# Altium PCB LimeSDR-PCIe_1v2.PcbDoc (part 7 of 9) (continued)
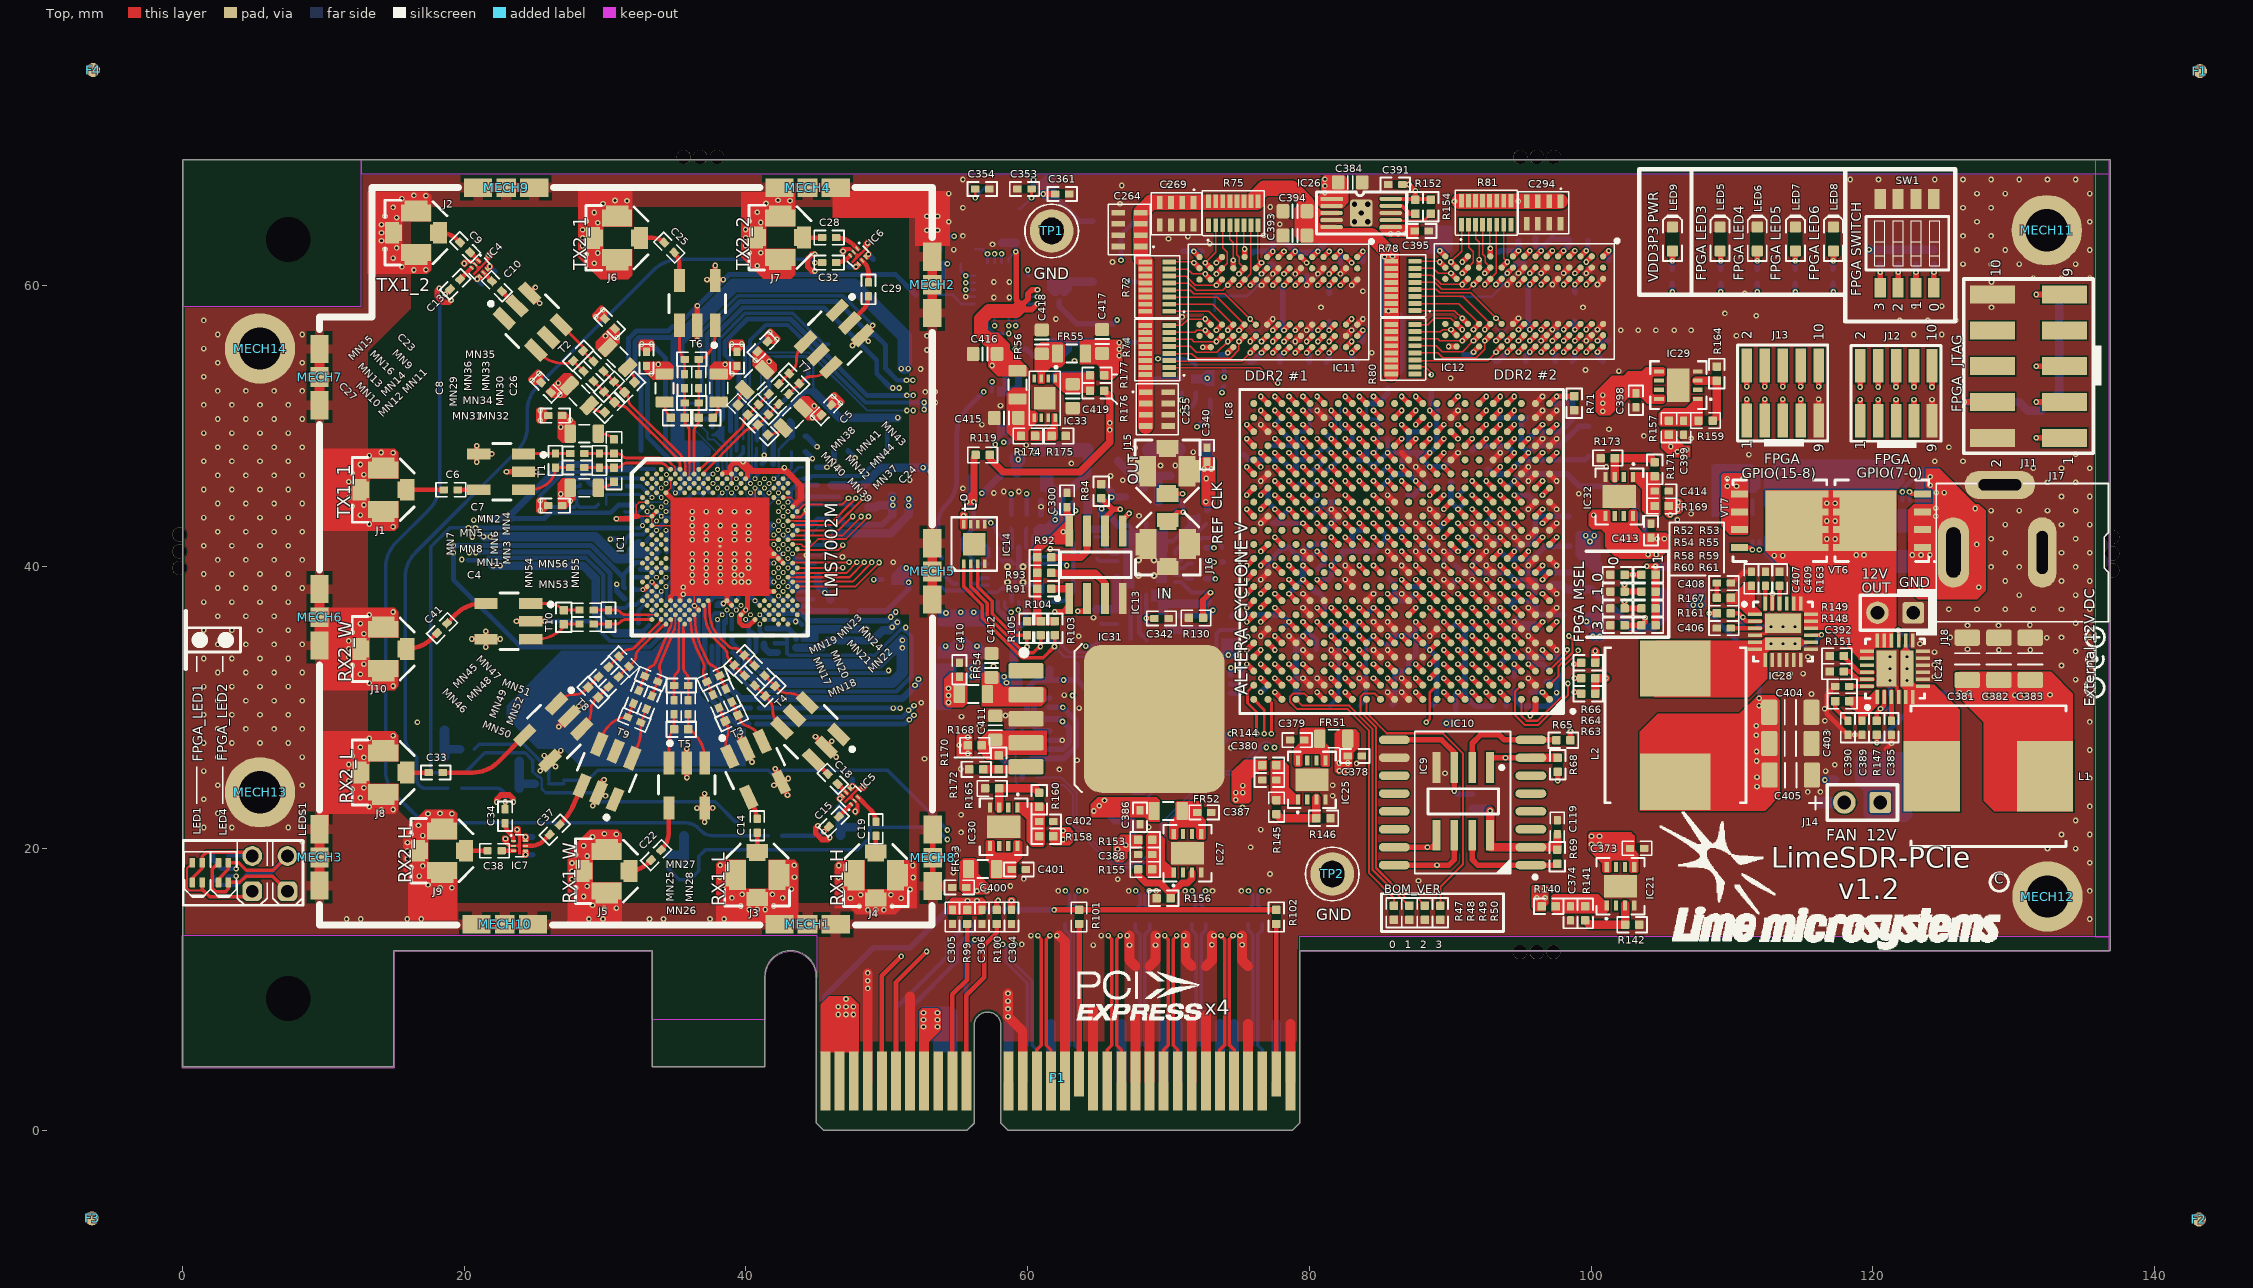
[diagram p0: Top view]
## Nets (pads, with @x,y where several pads share a name; then routed paths per layer and width w, separated by ;. In a path a pad name is that pad's centre, name@x,y a point inside that pad or via, vN(x,y) a via of type N, cw(c..) or ccw(c..) an arc to the next point about the centre after c; other vN are vias at no path point) (continued)
  Top w0.4: v1(71.8,62.4) IC11.R1@72.2,62 ; v1(74.2,55.2) IC11.M9@74.6,55.6 ; v1(76.6,55.2) IC11.J9@77,55.6 ; IC11.J1@77,62 v1(77.4,62.4) ; v1(78.2,55.2) IC11.G9@78.6,55.6 ; v1(78.2,56.8) IC11.G7@78.6,57.2 ; v1(78.2,60) IC11.G3@78.6,60.4 ; IC11.G1@78.6,62 v1(79,62.4) ; v1(79.8,55.2) IC11.E9@80.2,55.6 ; IC11.E1@80.2,62 v1(80.6,62.4) ; v1(81.4,55.2) IC11.C9@81.8,55.6 ; v1(81.4,56.8) IC11.C7@81.8,57.2 ; v1(81.4,60) IC11.C3@81.8,60.4 ; IC11.C1@81.8,62 v1(82.2,62.4) ; v1(83,55.2) IC11.A9@83.4,55.6 ; IC11.A1@83.4,62 v1(83.8,62.4) ; v1(89.25,62.45) IC12.R1@89.65,62.05 ; v1(91.65,55.25) IC12.M9@92.05,55.65 ; v1(94.05,55.25) IC12.J9@94.45,55.65 ; IC12.J1@94.45,62.05 v1(94.85,62.45) ; v1(95.65,55.25) IC12.G9@96.05,55.65 ; v1(95.65,56.85) IC12.G7@96.05,57.25 ; v1(95.65,60.05) IC12.G3@96.05,60.45 ; IC12.G1@96.05,62.05 v1(96.45,62.45) ; v1(97.25,55.25) IC12.E9@97.65,55.65 ; IC12.E1@97.65,62.05 v1(98.05,62.45) ; v1(98.85,55.25) IC12.C9@99.25,55.65 ; v1(98.85,56.85) IC12.C7@99.25,57.25 ; v1(98.85,60.05) IC12.C3@99.25,60.45 ; IC12.C1@99.25,62.05 v1(99.65,62.45) ; v1(100.45,55.25) IC12.A9@100.85,55.65 ; IC12.A1@100.85,62.05 v1(101.25,62.45)
  Bottom w0.4: C266.1@71,62.4 C273.1@72.4,62.4 ; C257.1@73.675,55.075 74.075,55.075 v1(74.2,55.2) ; C251.1@75.8,54.55 75.95,54.55 v1(76.6,55.2) ; C268.1@76,62.3 76.1,62.4 v1(77.4,62.4) C267.1@77.4,63.1 ; C252.1@77.9,54.55 77.9,54.9 v1(78.2,55.2) ; v1(78.2,56.8) 78.1,56.9 C272.2@78.1,58.4 78.1,59.9 v1(78.2,60) ; C263.1@78.4,63.1 78.4,63 v1(79,62.4) 79.075,62.325 80.525,62.325 v1(80.6,62.4) 81,62.8 C265.1@81,63.2 ; v1(79.8,55.2) 80,55 C253.1@80,54.55 ; C261.1@81.2,54.55 81.4,54.75 v1(81.4,55.2) ; v1(81.4,56.8) C260.1@81.4,57.4 ; v1(81.4,60) 81.4,59.45 C256.1@81.425,59.425 ; C258.1@82.2,61.6 v1(82.2,62.4) ; v1(83,55.2) 83,54.95 C262.1@83.4,54.55 ; C259.1@83.8,61.7 v1(83.8,62.4) ; C290.1@88.45,62.45 C283.1@89.85,62.45 ; C291.1@90.95,55.05 91.45,55.05 v1(91.65,55.25) ; C296.2@93.25,54.6 93.4,54.6 v1(94.05,55.25) ; C282.1@93.45,62.35 93.55,62.45 v1(94.85,62.45) C284.1@94.85,63.15 ; C297.2@95.35,54.6 95.35,54.95 v1(95.65,55.25) ; v1(95.65,56.85) 95.55,56.95 95.55,59.95 v1(95.65,60.05) ; C277.1@96.05,63.35 96.05,62.85 v1(96.45,62.45) 96.45,62.6 C295.2@97.25,63.4 97.4,63.25 C298.1@98.45,63.25 98.45,62.85 v1(98.05,62.45) ; v1(97.25,55.25) 97.45,55.05 C292.1@97.45,54.6 ; C293.1@98.65,54.6 98.85,54.8 v1(98.85,55.25) ; v1(98.85,56.85) C288.1@98.85,57.45 ; v1(98.85,60.05) 98.85,59.5 C289.1@98.875,59.475 ; v1(99.65,62.45) 99.75,62.55 C287.1@99.75,63.15 ; v1(100.45,55.25) 100.45,55 C279.1@100.85,54.6 ; C286.1@101.25,61.75 v1(101.25,62.45)
  other v1: 106.125,48.175 106.775,48.325 105.65,48.55 81.1,66.575 81.1,67.05 81.1,67.525
VCC1P8_LMS: C4.2 C5.2 C7.2 C8.2 C23.2 C24.2 C26.2 C27.2 FR3.2 FR6.2 FR7.2 FR12.2 FR19.2 FR21.1 FR23.1 FR32.2 MN1.2 MN2.2 MN9.2 MN10.2 MN29.2 MN30.2 MN37.2 MN38.2 R14.2 R17.2 R29.2 R31.2 R39.1 R144.1 | length 131.2
  Bottom w0.2: 24.85,25.477 25.228,25.098 25.35,25.098 25.503,24.946 25.503,24.251 25.775,23.978
  Bottom w0.254: v1@20.306,42.769 18.969,42.769 17.625,41.425 R17.2@17.625,25.375 20.025,25.375 21.45,26.8 24.324,26.8 24.85,26.274 24.85,25.477 ; 25.775,23.978 29.047,23.978 29.71,23.315 37.463,23.315 37.468,23.32 37.822,23.32 39.216,21.925 R14.2@39.374,21.925
  Bottom w0.35: v1@20.306,42.769 v1(20.8,42.769) FR21.1@31.671,42.769 ; v1(20.35,41.025) 20.394,41.069 28.825,41.069 30.35,39.544 30.35,37.685 FR23.1@30.399,37.636 ; 37.085,50.486 37.089,50.49 FR7.2@37.636,50.49 ; FR19.2@37.574,34.381 37.574,31.252 39.501,29.325 51.1,29.325 v1(51.925,30.15) ; FR3.2@37.625,49.935 37.625,50.479 FR7.2@37.636,50.49 ; R29.2@40.774,49.011 40.774,50.6 41.64,51.466 v1(41.64,54.592) ; v1(50.875,52.7) 50.294,52.7 49.284,53.709 49.284,54.672 45.557,58.4 39.766,58.4 37.694,56.328 37.694,54.034 38,53.728 38,50.85 37.64,50.49 FR7.2@37.636,50.49
  Bottom w0.4: v1(27.52,44.678) 27.345,44.678 v1(26.845,45.178) 26.845,45.891 27.26,46.306 28.604,46.306 29.046,45.863 30.037,45.863 30.194,45.706 FR12.2@30.889,45.706
  Bottom w0.6: R39.1@43.575,34.25 45.325,34.25 45.85,34.775 48.975,34.775 49.719,35.519 50.2,35.519 v1(50.753,36.072)
  other v1: 74.775,23.475 74.775,23.975 75.275,23.975 75.275,24.475 51.55,29.825 50.375,35.725 20.825,41.025 20.3,42.775 26.845,49.927 27.52,50.427 44.725,50.603 44.848,51.434 26.791,52.215 50.425,52.7 26.667,53.046 33.27,53.701 39.019,53.701 33.77,54.376 38.519,54.376 40.659,54.668 30.856,56.28 30.025,56.404
VCC1P25_LMS: FR1.2 FR2.1 FR4.1 FR5.1 FR8.2 FR9.1 FR11.2 FR13.2 FR14.1 FR15.2 FR18.1 FR22.2 FR25.2 FR26.2 FR27.1 FR28.1 FR30.1 R33.1 R34.2 R36.1 R37.2 R38.1 R158.1 | length 320.7
  L10 w0.35: 47.45,50.7 48.45,51.7 ; 49.375,52.675 49.875,52.175 v1(51.875,52.175)
  L10 w0.8: 43.65,49.275 46.6,49.275 47.925,50.6 v1(50.775,50.6)
  L10 w1: 43.775,49.775 46.1,49.775 50.4,54.075 v1(51.525,54.075) ; 48.862,29.613 48.862,29.713 ; 50.312,36.863 49.425,35.975 49.425,34.675 50.575,33.525 51.103,33.525 v1(51.103,34.25) v1(51.103,34.797)
  L10 w1.2: 48.862,29.713 51.103,31.953 51.103,33.525
  L10 w2: 22.1,43.225 22.1,41.825 22.55,41.375 ; v1(22.55,40.094) 22.55,41.375 ; 43.25,49.675 40.524,52.401 33.808,52.401 29.425,48.017 29.425,44.744 26.056,41.375 22.55,41.375 ; 48.862,29.613 50.325,28.15
  L10 w2.5: v1(22.55,40.094) 26.381,40.094 33.175,33.3 45.6,33.3 48.9,30 ; 50.325,28.15 52.95,28.15
  Bottom w0.11: R33.1@39.674,43.551 39.694,43.572 40.331,43.572 40.549,43.79 40.549,44.559 39.983,45.125 39.983,45.565 39.983,46.615 40.429,47.061 40.429,50.722 41.285,51.578 41.285,54.757 41.475,54.947 42.053,54.947 ; FR4.1@41.479,44.031 41.479,44.23 42.18,44.932 42.448,44.932 42.641,45.125 42.641,45.448 43.449,46.256 44.074,46.256
  Bottom w0.2: 42.053,54.947 44.304,54.947 44.775,54.476 44.775,52.45
  Bottom w0.3: 44.074,46.256 44.474,46.256 44.674,46.456 48.206,46.456 50.025,48.275 50.025,50.6
  Bottom w0.35: 23.038,43.438 23.352,43.438 25.688,43.438 26.095,43.845 30.395,43.845 30.931,44.381 R34.2@32.074,44.381 ; 31.636,40.761 32.781,40.761 FR18.1@33.82,41.8 ; 32.738,35.465 FR28.1@33.134,35.861 ; FR1.2@34.424,47.561 34.424,47.806 33,49.23 33,53.299 32.12,54.179 32.12,56.022 32.398,56.301 35.137,56.301 ; FR13.2@38.899,49.636 38.899,51.324 39.494,51.919 39.494,54.09 38.52,55.064 38.52,56.022 40.098,57.6 43.161,57.6 48.586,52.175 v1(51.425,52.175) v1(51.875,52.175) v1@51.9,52.175 ; FR22.2@38.999,34.956 38.999,34.66 39.879,33.78 39.879,32.956 40.825,32.01 40.825,31.85 40.529,31.85 39.429,32.95 39.429,33.576 39.074,33.931 R36.1@39.049,33.931 ; FR5.1@40.735,28.85 51.275,28.85 v1@51.925,29.5 ; FR25.2@40.905,29.975 v1(50.944,29.975)
  Bottom w0.4: FR26.2@41.361,36.894 41.549,36.706 41.995,36.706 42,36.711 42.548,36.711 42.553,36.706 42.555,36.706 42.56,36.711 43.919,36.711 44.455,36.175 50.007,36.175 v1(50.275,36.443) v1(50.632,36.8) ; FR2.1@41.924,47.286 41.924,50.174 44.2,52.45 44.775,52.45
  Bottom w0.5: v1(21.325,43.438) 23.352,43.438 ; 23.038,43.438 26.856,47.256 29.019,47.256 29.329,46.946 R37.2@31.924,46.946
  Bottom w0.6: v1@22,40.094 v1(22.55,40.094) 28.421,40.094 29.32,39.194 29.32,36.693 30.713,35.3 32.573,35.3 ; 44.775,52.45 46.625,50.6 50.025,50.6 v1(50.775,50.6)
  Bottom w0.7: v1@21.425,42.144 v1(21.85,42.144) 29.27,42.144 30.833,40.581 31.531,40.581 31.617,40.667
  Bottom w0.8: 40.825,31.8 50.4,31.8 51.103,32.503 v1(51.103,34.25) v1(51.103,34.797) 49.407,33.1 41.599,33.1
  Bottom w1: 35.137,56.301 35.137,48.825 35.769,48.193 ; 35.288,56.149 39.114,59.975 47.65,59.975 51.275,56.35 51.275,54.2
  other v1: 62.525,20.65 62.975,20.95 62.525,21.275 51.6,29.15 51.925,29.475 50.45,29.975 22.05,40.075 21.375,42.144 21.825,43.45 51.025,54.075
VCC1P25_LMS_DIG: R20.2 R22.2 R24.2 R26.2 R168.1 | length 20.3
  L5 w1.4: 50.125,44.725 50.125,43.825 51.55,42.4 v1(51.55,38.9)
  Bottom w0.4: R20.2@46.575,43.5 47.075,43 49.675,43 50.375,43.7 ; R24.2@48.1,36.9 50.025,36.9 51.55,38.425 v1(51.55,38.9) 51.35,39.1 51,39.1 ; R26.2@50.65,39.1 51,39.1 ; v1(51.375,39.925) 51.375,39.475 51,39.1
  Bottom w0.6: R22.2@48.675,44.25 49.3,44.25 49.425,44.375 v1@50.375,44.375 ; 50.375,43.7 v1@50.375,44.375 ; 50.375,45.05 v1@50.375,44.375
  other v1: 55.75,26.75 55.15,27.35 55.75,27.9 50.425,44.375 50.425,44.85
VCC2P5: FR38.1 FR39.1 R139.2 R140.1
  other v1: 96.15,16.5 96.725,16.5 96.15,17.15 96.725,17.15 56.075,32.25 56.075,32.775 74.25,33.75 74.8,33.75 107.25,37.3 107.775,37.3 107.775,37.8
VCC2P5A_FPGA: C113.1 C145.2 C146.2 C147.2 C148.2 C149.2 C150.1 C188.1 C189.1 C190.1 C191.1 C192.1 C193.1 C194.1 FR38.2 IC8.F4 IC8.F19 IC8.L4 IC8.N12 IC8.T5 IC8.U19 IC8.V4 J11.4 R53.1 R55.1 R56.1 R57.1 R59.1 R61.1 | length 158.6
  Top w0.4: v1(78.55,36.1) IC8.F19@79.05,35.6 ; v1(78.55,47.1) IC8.U19@79.05,46.6 ; v1(85.55,43.1) IC8.N12@86.05,42.6 ; v1(92.55,46.1) IC8.T5@93.05,45.6 ; v1(93.55,36.1) IC8.F4@94.05,35.6 ; IC8.L4@94.05,40.6 v1(94.55,41.1) ; IC8.V4@94.05,47.6 v1(94.55,48.1) ; v1(103.95,40.05) v1@104.525,40.05 ; v1(126.5,51.707) J11.4@128,51.707
  Top w0.6: R61.1@104.575,35.85 R59.1@104.575,37.05 R55.1@104.575,38.25 R53.1@104.575,39.45 v1(104.575,40.025)
  L5 w0.6: v1@103.925,40.025 v1(104.575,40.025) 109.075,44.525 109.075,46.55 110.2,47.675 110.2,52.975 111.25,54.025 124.182,54.025 v1(126.5,51.707)
  L10 w0.4: v1(78.55,36.1) 78.05,35.6 78.05,31.893 78.343,31.6 92.757,31.6 93.05,31.893 93.05,35.6 v1(93.55,36.1) 94.05,36.6 94.05,40.6 v1(94.55,41.1) 94.55,41.393 94.05,41.893 94.05,46.893 94.05,47.6 ; v1(78.55,47.1) 79.05,46.6 89.757,46.6 90.107,46.95 92.55,46.95 ; v1(92.55,46.1) 92.55,46.95 ; v1(94.55,48.1) 94.05,47.6 ; 92.55,46.95 93.2,47.6 94.05,47.6
  L7 w0.4: v1(85.55,43.1) 89.05,46.6 92.05,46.6 v1(92.55,46.1) ; v1(93.55,36.1) 94.05,36.6 99.325,36.6 99.7,36.975 103.825,36.975 104.575,37.725 v1(104.575,40.025)
  Bottom w0.4: FR38.2@74.5,36.5 74.6,36.6 78.05,36.6 v1(78.55,36.1) C192.1@78.05,35.6 ; C146.2@75.35,47.975 75.725,47.6 78.05,47.6 v1(78.55,47.1) ; v1(85.55,43.1) C150.1@86.075,42.575 ; C150.1@86.125,42.625 86.318,42.625 86.343,42.6 87.05,42.6 C188.1@87.05,42.625 ; C147.2@91.55,48.25 91.9,48.6 94.05,48.6 v1(94.55,48.1) ; v1(92.55,46.1) 93.05,45.6 C149.2@93.05,45.55 ; v1(93.55,36.1) C193.1@94.05,35.6 95.025,35.6 C148.2@95.05,35.575 ; v1(94.55,41.1) 95.05,41.6 95.757,41.6 96.05,41.893 96.05,43.35 96.3,43.6 98.4,43.6 C145.2@98.425,43.575
  Bottom w0.6: v1(104.575,40.025) C113.1@105.5,40.025 ; v1(126.5,51.707) 130.393,51.707 131,51.1 131.925,51.1 133.25,52.425 R56.1@133.25,54.25 R57.1@133.25,59.336
VCC2P5AH_FPGA: C151.2 C152.2 C153.2 C154.2 C155.2 C156.1 C183.1 C184.1 C185.1 C186.1 C187.1 FR39.2 IC8.H3 IC8.J3 IC8.P3 IC8.R3 IC8.W3 | length 44.3
  Top w0.4: v1(94.55,38.1) IC8.H3@95.05,37.6 ; v1(94.55,39.1) IC8.J3@95.05,38.6 ; v1(94.55,44.1) IC8.P3@95.05,43.6 ; v1(94.55,45.1) IC8.R3@95.05,44.6 ; IC8.W3@95.05,48.6 v1(95.55,49.1)
  L7 w0.4: v1(94.55,38.1) v1(94.55,39.1) 94.05,39.6 94.05,43.6 v1(94.55,44.1) v1(94.55,45.1) 94.05,45.6 94.05,46.893 94.05,48.307 94.343,48.6 95.05,48.6 v1(95.55,49.1)
  Bottom w0.4: C153.2@90.4,40.1 90.9,39.6 94.05,39.6 v1(94.55,39.1) 95.825,39.1 96.325,38.6 C186.1@97.1,38.6 ; v1(94.55,44.1) C156.1@95.05,43.6 ; v1(94.55,45.1) 95.525,45.1 C154.2@96.05,44.575 ; v1(95.55,49.1) 96.05,49.6 97.8,49.6 98.7,50.5 C152.2@98.7,51.925 C152.2@98.375,51.6 ; C185.1@97.025,51.575 97.025,51.6 97.757,51.6 97.782,51.575 C152.2@98.35,51.575
  Bottom w0.6: C186.1@97.1,38.6 97.2,38.7 97.968,38.7 98.268,38.4 C184.1@98.35,38.4 C183.1@99.325,38.4 100.025,38.4 C151.2@100.525,37.9 100.65,37.9 102.825,35.725 104.475,35.725 105.075,36.325 FR39.2@105.075,38.225
VCC3P3: C119.1 C163.2 C164.2 C165.2 C166.2 C167.2 C168.1 C174.1 C175.1 C176.1 C177.1 C178.1 C179.1 C180.1 C181.1 C182.1 C300.1 C302.1 C303.1 C373.2 C378.2 C381.2 C382.2 C383.2 C386.2 C391.2 C398.2 C400.2 C410.2 C413.2 FR49.1 FR51.1 FR52.1 FR53.1 FR54.1 IC8.E13 IC8.E14 IC8.E15 IC8.E16 IC8.F14 IC8.G4 IC8.H19 IC8.J18 IC8.K18 IC9.8 IC10.2 IC13.8 IC14.8 IC15.8 IC21.5 IC21.8 IC26.10 IC29.5 IC29.8 IC32.5 IC32.8 J12.10 J13.10 L1.2 R44.2 R66.1 R68.1 R69.1 R70.1 R85.1 R86.1 R87.1 R88.1 R91.1 R92.1 R93.1 R103.1 R104.1 R105.1 R136.2 R143.2 R147.1 R152.1 R154.1 | length 173.5
  Top w0.3: IC26.10@85.775,66.125 87.525,66.125 88.575,66.125 R154.1@88.625,66.075
  Top w0.325: v1(120.274,27.526) R147.1@120.274,28.076
  Top w0.4: v1(78.55,38.1) IC8.H19@79.05,37.6 ; v1(79.55,39.1) IC8.J18@80.05,38.6 ; v1(79.55,40.1) IC8.K18@80.05,39.6 ; v1(81.55,35.1) IC8.E16@82.05,34.6 ; v1(82.55,35.1) IC8.E15@83.05,34.6 ; v1(83.55,35.1) IC8.E14@84.05,34.6 ; v1(83.55,36.1) IC8.F14@84.05,35.6 ; v1(84.55,35.1) IC8.E13@85.05,34.6 ; C391.2@86.6,67.15 v1(87.075,67.15) v1(87.525,66.7) 87.525,66.125 R152.1@87.525,66.075 ; v1(93.55,37.1) IC8.G4@94.05,36.6 ; v1(97.625,24.825) R68.1@97.625,25.45 ; v1(116.15,52.8) J13.10@116.15,54.3 ; v1(124.2,52.775) J12.10@124.2,54.275
  Top w0.5: C300.1@62.8,44.25 62.8,43.775 62.945,43.63 IC13.8@62.945,42.55
  Top w0.6: R105.1@59.95,36.15 R104.1@60.925,36.15 ; R103.1@61.925,36.15 R104.1@60.925,36.15 ; IC13.8@62.945,42.55 62.945,41.875 61.351,41.875 60.675,41.199 R92.1@60.675,40.675 R93.1@60.675,39.575 R91.1@60.675,38.45 60.675,36.4 R104.1@60.925,36.15 ; v1(92.83,22.695) 92.83,20.1 IC10.2@95.725,20.1 97.425,20.1 R69.1@97.6,19.925 C119.1@97.6,21.025 ; R66.1@100.3,33.2 v1(100.3,34.025)
  L3 w0.5: v1(97.625,24.825) 99.65,26.85 99.65,33.375 v1(100.3,34.025)
  L3 w0.6: v1(100.825,51.05) 100.825,53.825 102.75,55.75 102.75,58.505 103.77,59.525 v1(105.77,59.525)
  L4 w0.6: v1(87.075,67.15) 89.475,64.75 100.545,64.75 v1(105.77,59.525)
  L8 w0.4: v1(93.55,37.1) 94.05,36.6 95.05,36.6 97.05,34.6 97.05,32.3 98.025,31.325 98.025,30.525 99.275,29.275 99.275,26.475 v1(97.625,24.825)
  L6 w0.6: 112.2,42.475 112.2,47.575 115.525,50.9 115.525,52.175 v1(116.15,52.8) 119.1,55.75 ; v1(119.725,62.525) 119.1,61.9 119.1,55.75 ; v1(124.2,52.775) 121.225,55.75 119.1,55.75
  Bottom w0.3: C164.2@81.475,30.15 82.075,30.75 82.075,34.575 ; v1(81.55,35.1) 82.075,34.575 ; v1(82.55,35.1) 82.075,34.625 82.075,34.575 ; C176.1@83.05,35.625 83.55,35.125 v1(83.55,35.1) 84.025,34.625 ; C163.2@83.6,30.15 84.025,30.575 84.025,34.625 ; C166.2@86.25,34.55 85.1,34.55 v1(84.55,35.1) 84.075,34.625 84.025,34.625
  Bottom w0.325: v1(120.274,27.526) 123.824,31.076 v1(126.824,31.076)
  Bottom w0.4: v1@59.15,55.45 59.925,55.45 60.376,54.999 FR49.1@60.943,54.999 ; C180.1@79.05,37.6 v1(78.55,38.1) v1(79.55,39.1) ; C168.1@79.05,39.6 79.525,39.6 ; v1(79.55,40.1) v1(79.55,39.1) ; C165.2@80.625,38.175 81.05,37.75 R44.2@81.05,36.6 ; C165.2@80.675,38.2 80.45,38.2 v1(79.55,39.1) ; v1(81.55,35.1) C177.1@82.05,35.6 ; C177.1@82.05,35.625 C177.1@82.05,35.6 ; v1(83.55,36.1) 83.075,35.625 C176.1@83.05,35.625 83.025,35.6 C177.1@82.05,35.6 ; C167.2@93.025,36.625 93.5,37.1 v1(93.55,37.1) C174.1@94.025,36.625 ; v1(105.77,59.525) R143.2@105.77,60.125
  Bottom w0.45: v1(64.7,22.675) v1@65.442,23.417 ; v1(65.075,23.05) 66.175,21.95 IC15.8@67.5,21.95 C303.1@67.5,20.9
  Bottom w0.6: C302.1@55.45,43 v1(55.45,43.625) ; R70.1@91.6,22.85 92.675,22.85 v1(92.83,22.695) ; v1(119.725,62.525) R85.1@120.53,62.525 R86.1@121.8,62.525 R87.1@123.07,62.525 R88.1@124.34,62.525
  other v1: 56.4,17 57.075,17 56.75,17.4 100.025,20.3 100.6,20.3 100.025,20.875 100.6,20.875 65.45,23.425 82.125,25.525 82.725,25.525 82.125,26.075 82.725,26.075 54.375,30.375 54.375,30.875 128.249,30.876 128.924,30.876 130.074,30.901 130.749,30.901 131.899,30.926 132.574,30.926 126.149,31.076 54.375,31.375 104.05,40.875 104.625,40.875 104.7,42 105.2,42 62.525,42.5 100.175,43.675 100.825,51.625 100.825,52.2 59.125,55.475
VCC3P3_CLK: C336.2 C340.1 C341.1 C355.1 C356.1 C357.1 C416.2 FR40.2 FR41.1 FR43.1 FR45.1 FR46.1 FR56.2 IC19.16 IC19.17 IC20.14 IC20.18 IC20.20 R112.1 R123.2 R124.2 | length 68.9
  Top w0.4: v1(57.475,54.3) 57.475,55.9 ; v1(59.15,62.375) 59.2,62.325 59.2,58.95 59.45,58.7 ; v1(60.7,58.675) 60.3,58.275 59.875,58.275 59.45,58.7 ; v1(60.7,59.675) 60.3,59.675 60.025,59.4 60.025,59.025 59.7,58.7 59.45,58.7
  Top w1: 57.7,56.125 57.2,56.125 56.675,56.65 56.675,57.6 57.25,58.175 59.175,58.175 59.387,58.387
  L5 w0.8: 58.525,32.15 58.525,31.575 61.675,28.425 63.25,28.425 64.575,29.75 64.575,31.975 66.05,33.45 67.175,33.45 ; 72.825,47 72.65,46.825 72.65,43 69.8,40.15 v1(69.8,38.175) 69.8,36.075 67.175,33.45 ; v1(74.4,28.15) 72.475,28.15 67.175,33.45
  Bottom w0.15: IC20.14@58.65,61.6 58.65,61.875 v1(59.15,62.375)
  Bottom w0.2: IC20.20@60.075,58.675 v1(60.7,58.675) ; IC20.18@60.075,59.675 v1(60.7,59.675)
  Bottom w0.25: v1(59.15,62.375) C357.1@59.15,63.025
  Bottom w0.4: v1(57.475,54.3) 57.725,54.55 R112.1@58.425,54.55
  Bottom w0.5: v1@56.775,45.225 56.797,45.225 57.947,46.375 FR41.1@58.05,46.375 ; C336.2@65.25,44.675 65.675,44.675 v1(65.95,44.95) ; C355.1@65.65,45.675 65.95,45.375 v1(65.95,44.95) ; FR46.1@66.95,44.95 v1(65.95,44.95) ; v1(72.65,44.625) 72.775,44.5 R124.2@72.775,44.05
  Bottom w0.6: C356.1@58.15,63 59.125,63 C357.1@59.15,63.025 ; 69.7,37.475 69.775,37.4 72.625,37.4 C341.1@72.8,37.575 ; FR45.1@72.525,26.871 73.121,26.871 v1(74.4,28.15)
  Bottom w0.8: FR43.1@58.885,30.9 FR43.1@58.9,30.9
  other v1: 58.5,31.775 58.325,32.2 56.75,45.225 72.675,46.275 72.525,46.95 73.025,46.95
VCC3P3_LMK: C320.2 C321.2 C322.2 C323.2 FR41.2 IC16.8 IC16.23 R106.2 R119.1 | length 14
  Top w0.5: 56.175,45.1 56.175,47.775 R119.1@56.35,47.95
  Bottom w0.25: R106.2@55.35,41.95 55.35,41.275 C320.2@55.95,40.675 56.413,40.212 ; C322.2@55.95,39.75 56.412,40.212 ; IC16.23@57.2,40.212 56.413,40.212 ; IC16.8@61.05,40.212 C321.2@62.25,40.212 ; C323.2@62.25,39.225 C321.2@62.25,40.212 ; v1(62.775,40.1) 62.663,40.212 C321.2@62.25,40.212
  Bottom w0.3: R106.2@55.35,41.95 56.175,42.775 v1(56.175,44.625) 56.175,45.07
  Bottom w0.6: 56.05,45.17 FR41.2@56.05,46.375
  other v1: 55.675,44.625
VCC3P3_PCIE: C304.1 C305.1 C306.1 P1.A9 P1.A10 P1.B8 R99.1 | length 6.9
  Top w0.7: P1.B8@52.65,3.5 v1@52.65,8.3 ; C305.1@54.65,15.65 C306.1@56.7,15.65
  other v1: 52.6,7.35 53.6,7.35 52.6,7.85 53.6,7.85 52.6,8.35 53.6,8.35 55.725,16.3 56.4,16.3 58.85,16.3
VCC12P0: C301.1 C366.2 C367.2 C368.2 C369.2 C370.2 C371.1 C375.1 C377.2 C397.2 C417.2 FR55.1 IC22.1 IC22.6 IC23.1 IC23.6 IC24.16 IC24.17 IC24.18 IC24.19 IC24.20 IC28.16 IC28.17 IC28.18 IC28.19 IC28.20 J14.2 J18.2 R137.1 R138.1 R177.2 VT6.5 VT6.6 VT6.7 VT6.8 VT7.5 VT7.6 VT7.7 VT7.8 | length 10.5
  Bottom w0.6: v1(117.325,41.985) IC23.6@121.455,41.985
  Bottom w0.8: C301.1@116.25,23.25 J14.2@117.955,23.25 ; C377.2@118.725,36.625 120.205,36.625 J18.2@120.33,36.75 C397.2@120.33,35.18 ; J18.2@120.3,36.78 C375.1@120.3,38.225
  other v1: 113,40.8 113.6,40.8 118.825,40.85 119.375,40.85 116.725,41.985 116.725,43.255 117.325,43.255 116.725,44.525 117.325,44.525 66.5,55 66.5,55.45 66.5,55.925
VCC12P0_PCIE: C307.1 C308.1 C309.1 C310.1 C311.1 IC22.2 P1.A2 P1.A3 P1.B1 P1.B2 P1.B3 R138.2 VT7.1 VT7.2 VT7.3 | length 0.6
  Bottom w0.3: v1(111.95,41.225) IC22.2@111.95,41.84
  other v1: 46.55,8.225 47.1,8.225 47.625,8.225 46.55,8.775 47.1,8.775 47.625,8.775 47.1,9.325 109.675,45.725 110.325,45.725 109.675,46.25 110.775,46.25
VDIO_LMK: C328.2 C329.2 C330.2 C331.2 FR43.2 IC16.14 IC16.18 | length 7.4
  Bottom w0.3: IC16.18@57.875,37.537 57.875,37 58.175,36.7
  Bottom w0.4: 58.175,36.7 C330.2@59,35.875 59.625,35.875 59.875,36.125 IC16.14@59.875,37.537
  Bottom w0.6: FR43.2@59,33 C331.2@59,33.875 C328.2@59,34.875 C330.2@59,35.875
VDIO_LMS: C2.1 C3.2 C364.2 C365.1 FR50.2 IC2.8 IC3.1 IC3.2 IC3.3 IC3.8 R1.2 R2.2 R3.1 R4.1 R5.2 R12.1 R13.1 R21.1 R23.1 R25.1 R27.1 R28.1 | length 90.5
  L5 w0.6: 41.6,42.95 41.237,42.588 41.237,37.988 42.075,37.15 44.575,37.15 v1(45.6,38.175)
  L7 w0.8: v1(62.55,31.975) 63.175,31.975 65.475,29.675 88.95,29.675 v1(89.725,28.9) 89.875,28.75 96.725,28.75 97.55,29.575 v1(97.55,31.075)
  Bottom w0.4: R13.1@58.625,26.15 58.35,26.15 58,26.5 58,27.675 R12.1@58.625,28.3 59.45,29.125 59.95,29.125 ; IC2.8@61.55,28.35 60.725,28.35 59.95,29.125 ; 63.45,31.975 v1(62.55,31.975) IC3.8@61.55,31.975 60.575,31.975 59.95,31.35 59.95,29.125 ; C2.1@63.475,33.075 63.475,32 64.15,31.325 IC3.2@67.45,31.325 ; R1.2@94.575,31.225 94.575,30.625 95.1,30.1 R2.2@95.725,30.1 96.85,30.1 97.55,30.8 v1(97.55,31.075) 97.55,31.725 97.45,31.825 ; R4.1@96.825,31.825 97.45,31.825 ; R5.2@97.925,32.3 97.45,31.825
  Bottom w0.6: R28.1@41.374,42.556 41.748,42.931 ; R21.1@45.099,39.281 45.099,38.737 45.999,37.837 R27.1@45.999,37.706 ; R25.1@46.075,45.8 48.328,45.8 49.578,47.05 v1(52.575,47.05) 52.825,47.05 v1@53.094,46.781 ; R23.1@46.574,42.406 46.574,42.4 50.275,42.4 51.55,43.675 v1(51.55,44.825) ; 61.55,32.225 C3.2@61.55,32.7 ; v1(89.725,28.9) R3.1@90.4,28.9
  other v1: 54.2,36.725 55.25,36.775 56.175,36.775 51.55,44.35 53.1,46.775
  other v2: 41.974,42.931
VDIO_LMS_FPGA: C157.2 C158.2 C159.2 C160.2 C161.2 C162.1 C228.1 C229.1 C230.1 C231.1 C232.1 C233.1 C234.1 C350.1 C351.1 FR50.1 IC8.E9 IC8.E10 IC8.E11 IC8.E12 IC8.F10 IC8.H10 IC8.P7 IC20.10 IC20.11 R119.2 R136.1 R139.1 R176.1 | length 86.6
  Top w0.4: v1(85.55,35.1) IC8.E12@86.05,34.6 ; v1(86.55,35.1) IC8.E11@87.05,34.6 ; v1(87.55,35.1) IC8.E10@88.05,34.6 ; v1(87.55,36.1) IC8.F10@88.05,35.6 ; v1(87.55,38.1) IC8.H10@88.05,37.6 ; v1(88.55,34.1) IC8.E9@89.05,34.6 ; v1(90.55,44.1) IC8.P7@91.05,43.6
  Top w0.5: R119.2@57.3,47.95 57.3,47.7 58.275,46.725 63.7,46.725 65.825,48.85 65.825,52.125 R176.1@65.425,52.525
  L3 w0.4: v1(55.6,60.675) 55.975,60.675 56.45,60.2 56.45,60.025 ; 56.8,59.7 56.8,60.55 57.15,60.9 v1(57.15,62.225)
  L3 w0.8: 56.6,59.75 56.6,56.725 58.5,54.825 58.5,52.95 61.5,49.95 65.825,49.95
  L7 w1: 54.3,40.075 54.3,60.4 54.875,60.975 56.225,60.975 56.85,61.6 56.85,62.325
  Bottom w0.2: C351.1@55.25,61.5 55.25,61.025 v1(55.6,60.675) IC20.10@56.225,60.675 ; C350.1@56.3,62.55 56.825,62.55 v1(57.15,62.225) IC20.11@57.15,61.6
  Bottom w0.4: v1(85.55,35.1) v1(86.55,35.1) v1(87.55,35.1) ; C159.2@85.65,39.175 86.05,38.775 86.05,37.893 86.343,37.6 87.05,37.6 v1(87.55,38.1) ; C157.2@85.9,30.225 86.05,30.375 86.05,32.307 86.343,32.6 86.757,32.6 ; C234.1@87.05,32.65 87.05,33.307 87.55,33.807 v1(87.55,35.1) ; v1(87.55,36.1) v1(87.55,35.1) ; C158.2@88.725,30.175 89.05,30.5 89.05,33.6 v1(88.55,34.1) v1(87.55,35.1) ; 90.1,46 90.05,46 C228.1@90.05,44.6 v1(90.55,44.1) 90.575,44.1 C162.1@91.05,44.575
  other v1: 54.175,34.375 56.4,34.375 55.3,34.775 65.825,49.725 65.825,50.225
VREF_DDR2: C101.1 C102.1 C103.1 C104.1 C105.1 C106.1 C107.1 C108.1 C109.1 C274.1 C299.1 C395.1 IC8.M20 IC8.P20 IC8.T16 IC8.U12 IC8.U18 IC8.V9 IC8.V13 IC8.W10 IC8.W16 IC11.J2 IC12.J2 IC26.6 | length 29.3
  Top w0.4: v1(76.6,60.8) IC11.J2@77,61.2 ; v1(77.55,42.1) IC8.M20@78.05,41.6 ; v1(77.55,44.1) IC8.P20@78.05,43.6 ; v1(79.55,47.1) IC8.U18@80.05,46.6 ; v1(81.55,46.1) IC8.T16@82.05,45.6 ; v1(81.55,49.1) IC8.W16@82.05,48.6 ; v1(84.55,48.1) IC8.V13@85.05,47.6 ; v1(85.55,47.1) IC8.U12@86.05,46.6 ; IC8.W10@88.05,48.6 v1(88.55,49.1) ; IC8.V9@89.05,47.6 v1(89.55,48.1) ; v1(94.05,60.85) IC12.J2@94.45,61.25
  Bottom w0.2: C106.1@73.275,58.2 C109.1@73.275,59.225 75.591,59.225 76.2,59.834 76.2,60.4 v1(76.6,60.8) ; C102.1@84.05,51.6 84.05,50.85 84.4,50.5 84.716,50.5 84.95,50.266 84.95,48.5 v1(84.55,48.1) ; C107.1@90.75,59.175 92.941,59.175 93.65,59.884 93.65,60.45 v1(94.05,60.85)
  Bottom w0.4: v1(76.6,60.8) 77.3,61.5 C274.1@77.4,61.5 ; C101.1@77.025,45.575 77.05,45.55 77.05,44.575 77.075,44.575 v1(77.55,44.1) ; C108.1@81.05,49.625 81.05,49.6 v1(81.55,49.1) ; C102.1@84.05,51.6 84.85,51.6 85.575,52.325 C105.1@85.575,52.675 ; C103.1@85.05,46.575 85.05,46.6 v1(85.55,47.1) ; v1(94.05,60.85) 94.8,61.6 C299.1@95.2,61.6
  other v1: 85.775,63.65 86.3,63.65 86.8,63.65
VTT_DDR2: C255.1 C255.2 C255.3 C255.4 C264.1 C264.2 C264.3 C264.4 C269.1 C269.2 C269.3 C269.4 C280.1 C280.2 C280.3 C280.4 C285.1 C285.2 C285.3 C285.4 C294.1 C294.2 C294.3 C294.4 C393.2 C394.2 IC26.3 IC26.5 R72.9 R72.10 R72.11 R72.12 R72.13 R72.14 R72.15 R72.16 R74.9 R74.10 R74.11 R74.12 R74.13 R74.14 R74.15 R74.16 R75.9 R75.10 R75.11 R75.12 R75.13 R75.14 R75.15 R75.16 R78.9 R78.10 R78.11 R78.12 R78.13 R78.14 R78.15 R78.16 R80.9 R80.10 R80.11 R80.12 R80.13 R80.14 R80.15 R80.16 R81.9 R81.10 R81.11 R81.12 R81.13 R81.14 R81.15 R81.16 | length 76.8
  Top w1.1: C255.4@68.375,50 68.375,61.625 R72.9@68.35,61.65 68.025,61.975 C264.1@68.025,62.75 C264.2@68.025,63.55 C264.3@68.025,64.35 C264.4@68.025,65.15 68.75,65.875 C269.4@69.375,65.875 R75.9@76.275,65.875 ; R75.10@75.85,65.95 76.8,66.9 78.75,66.9 79.825,65.825 C394.2@79.825,65.25 ; 80.77,63.52 84.405,63.52 85.8,62.125 R78.9@85.8,61.7 R78.10@85.8,61.2 R78.11@85.8,60.7 R78.12@85.8,60.2 R78.13@85.8,59.7 R78.14@85.8,59.2 R78.15@85.8,58.7 R78.16@85.8,58.2 R80.9@85.8,57.2 R80.10@85.8,56.7 R80.11@85.8,56.2 R80.12@85.8,55.7 R80.13@85.8,55.2 R80.14@85.8,54.7 R80.15@85.8,54.2 R80.16@85.8,53.7 ; R81.16@90.65,65.95 v1(94.825,65.95) C294.3@96.225,65.95 C294.2@97.025,65.95 C294.1@97.825,65.95
  L4 w1.1: v1(85.325,62.025) 85.65,62.35 87.025,62.35 87.7,63.025 87.7,64.725 86,66.425 86,67.475 86.625,68.1 88.15,68.1 v1(90.3,65.95) v1(94.825,65.95)
  Bottom w1.1: 85.625,62.325 C285.2@85.625,59.925 C285.1@85.625,59.125 v1(85.625,58.175) 86.2,57.6 C280.1@86.2,54.125
  other v1: 85.9,62.05 85.6,62.575